# Altium PCB PokeyMain.PcbDoc (part 3 of 3)
Units mm, origin at the board's own origin, x right, y up, seen from the top; angles counter-clockwise.
Board outline 172.97 x 119.13 mm, 2 copper layers (Top Layer, Bottom Layer); 249 components, 225 nets, 876 pads, 516 vias.
Unrouted connection lines stored in the file: 64.
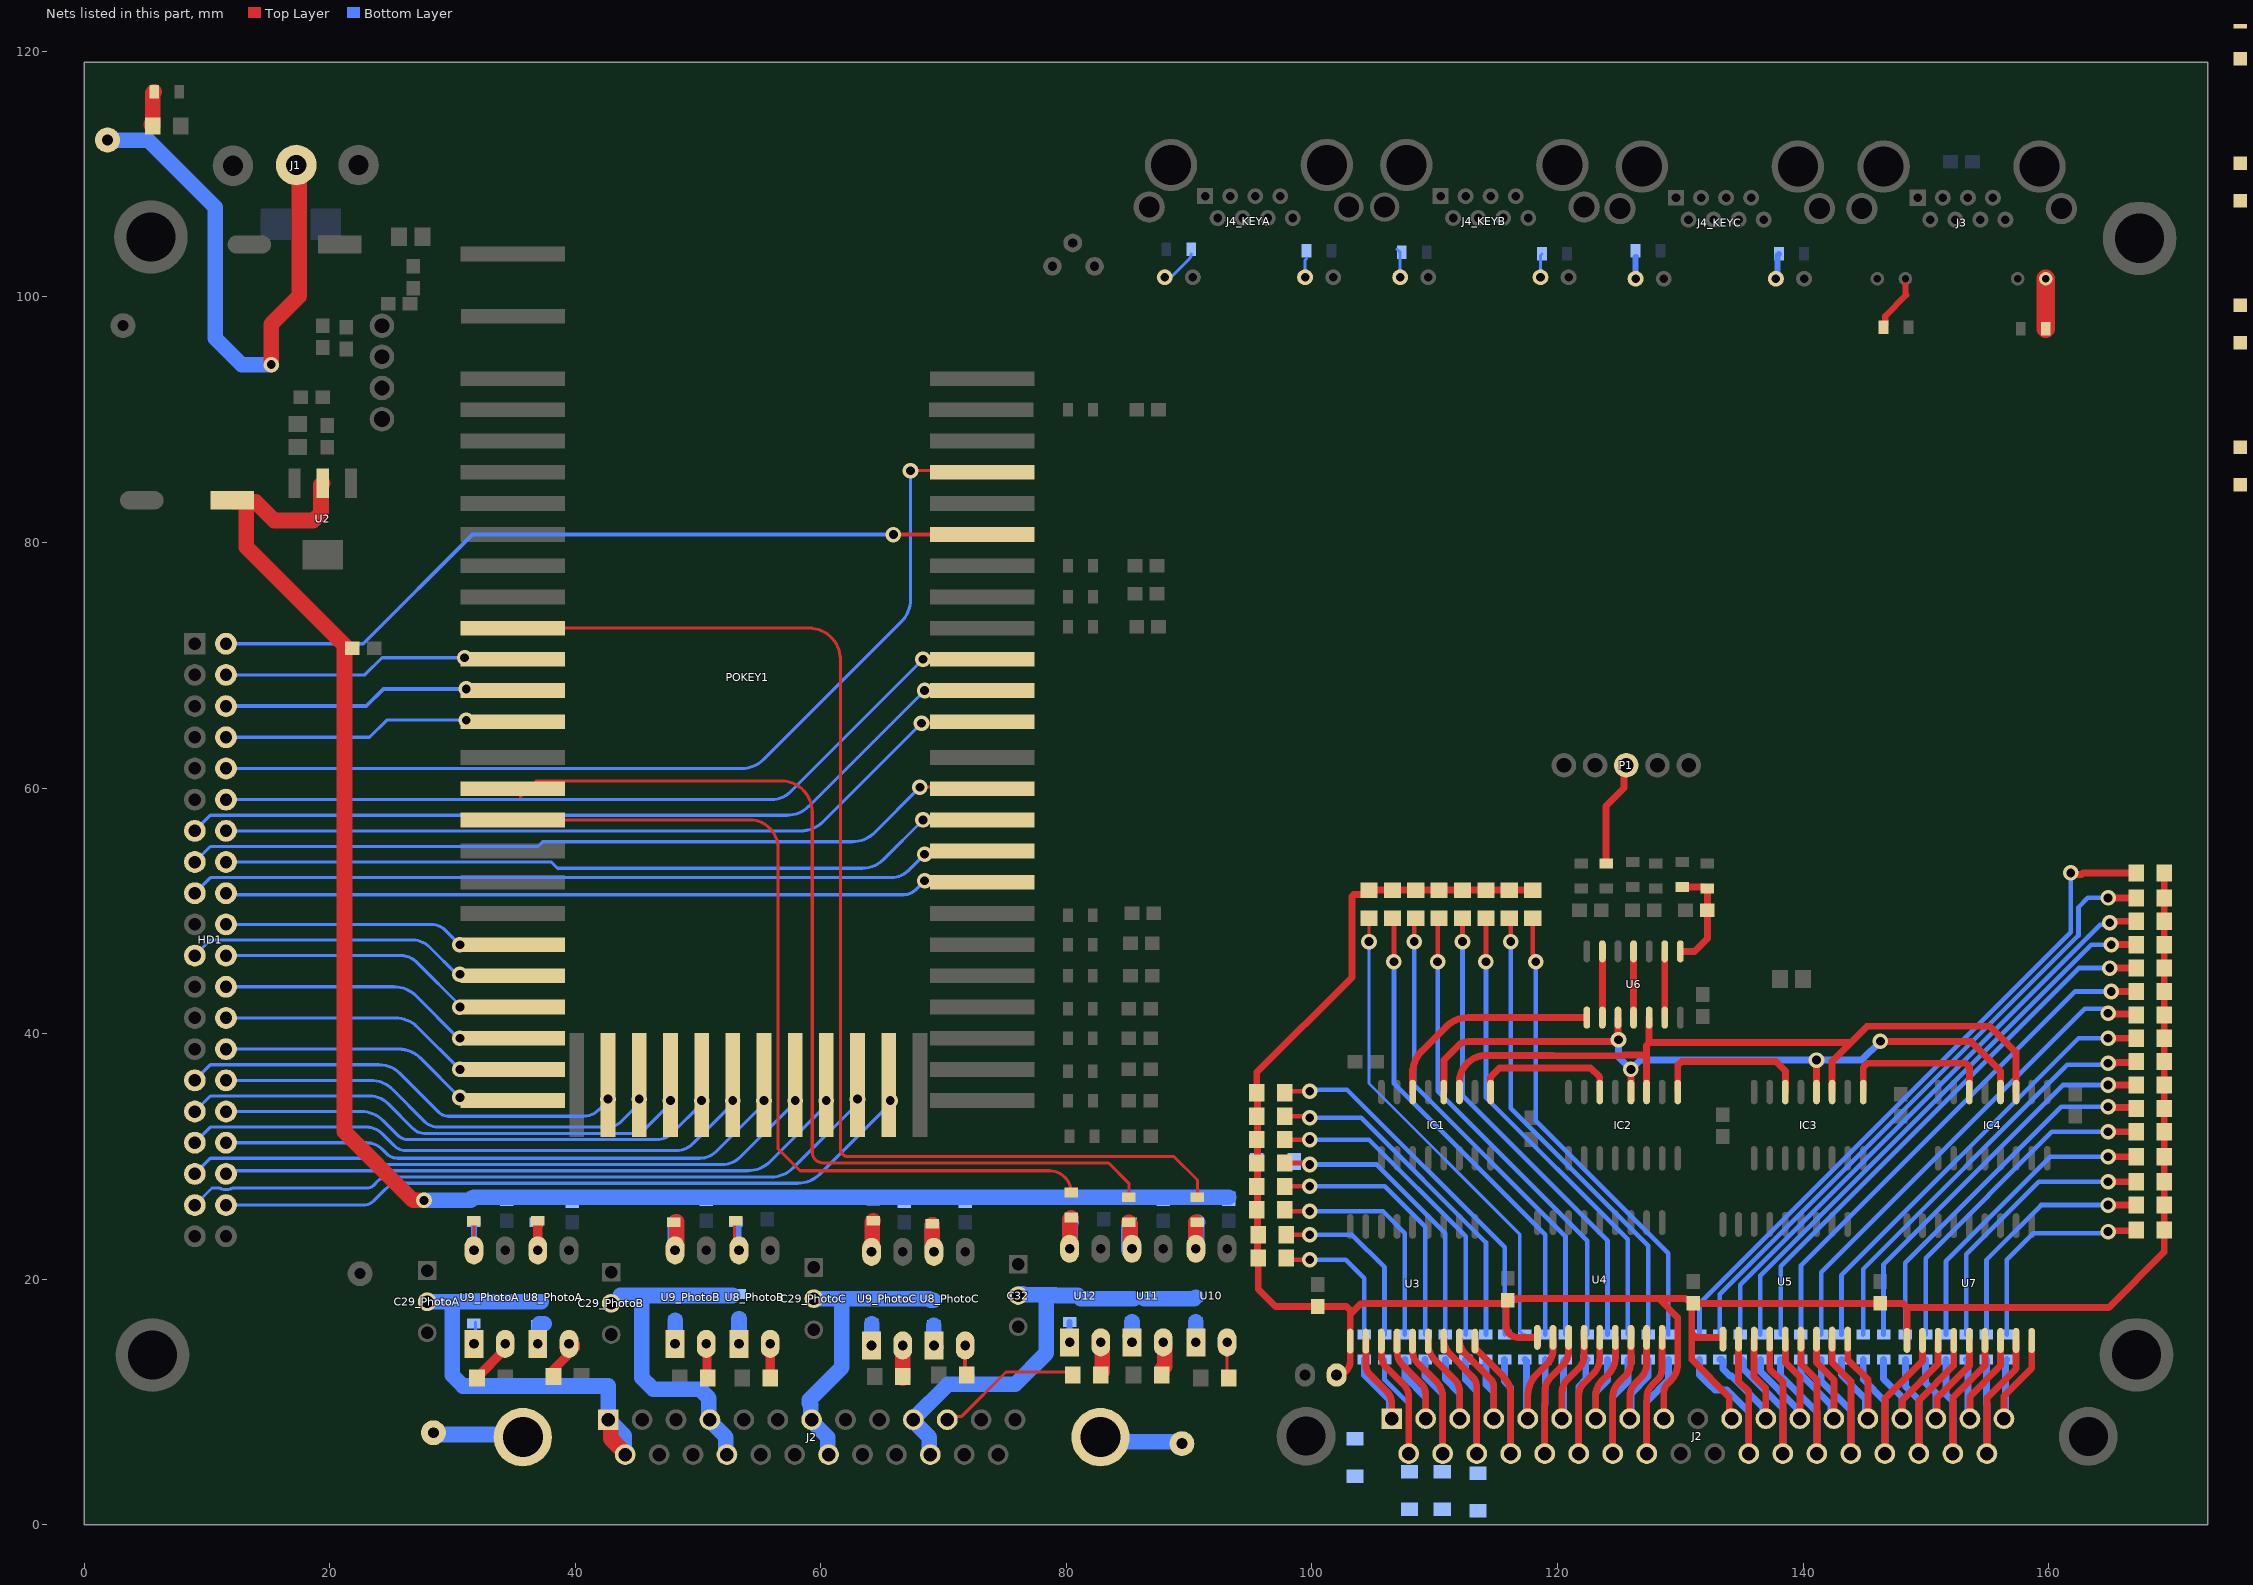
[diagram p3: the nets of this part, all layers, seen from the top]

## Via types
v1: diameter 1.27, hole 0.711, Top Layer to Bottom Layer, tented both sides, 483 vias
v2: diameter 1.27, hole 0.711, Top Layer to Bottom Layer, 33 vias

## Nets (pads, with @x,y where several pads share a name; then routed paths per layer and width w, separated by ;. In a path a pad name is that pad's centre, name@x,y a point inside that pad or via, vN(x,y) a via of type N, cw(c..) or ccw(c..) an arc to the next point about the centre after c; other vN are vias at no path point) (continued)
NetC16_2: C16.2 C19.1 C170.2 C180.1 D2_Led[.2 D2_Led\.2 D2_Led].2 D2_Led^.2 D2_Led_.2 D2_Led`.2 D2_LedA.2 D2_LedB.2 D2_LedC.2 D2_LedD.2 D2_LedE.2 D2_LedF.2 D2_LedG.2 D2_LedH.2 D2_LedI.2 D2_LedJ.2 D2_LedK.2 D2_LedL.2 D2_LedM.2 D2_LedN.2 D2_LedO.2 D2_LedP.2 D2_LedQ.2 D2_LedR.2 D2_LedS.2 D2_LedT.2 D2_LedU.2 D2_LedV.2 D2_LedW.2 D2_LedX.2 D2_LedY.2 D2_LedZ.2 J2.9@128.658,8.636 J2.11@134.196,8.636 J5.2 LED8_Led[.1 LED8_Led\.1 LED8_Led].1 LED8_Led^.1 LED8_Led_.1 LED8_Led`.1 LED8_LedA.1 LED8_LedB.1 LED8_LedC.1 LED8_LedD.1 LED8_LedE.1 LED8_LedF.1 LED8_LedG.1 LED8_LedH.1 LED8_LedI.1 LED8_LedJ.1 LED8_LedK.1 LED8_LedL.1 LED8_LedM.1 LED8_LedN.1 LED8_LedO.1 LED8_LedP.1 LED8_LedQ.1 LED8_LedR.1 LED8_LedS.1 LED8_LedT.1 LED8_LedU.1 LED8_LedV.1 LED8_LedW.1 LED8_LedX.1 LED8_LedY.1 LED8_LedZ.1 U3.10 U4.10 U5.10 U7.10 | length 196.5
  Top Layer w0.559: J5.2@102.006,12.192 ccw(c102.006,13.31) 103.124,13.31 103.124,14.952 103.124,17.145 ; LED8_LedP.1@117.983,51.689 LED8_LedO.1@116.078,51.689 LED8_LedN.1@114.173,51.689 LED8_LedM.1@112.268,51.689 LED8_LedL.1@110.363,51.689 LED8_LedK.1@108.458,51.689 LED8_LedJ.1@106.553,51.689 LED8_LedI.1@104.648,51.689 104.292,51.333 103.403,51.333 103.251,51.181 103.251,44.577 95.504,36.83 LED8_LedH.1@95.504,35.179 95.567,35.115 95.567,33.274 95.567,31.369 95.567,29.464 95.567,27.559 95.567,25.654 95.567,23.622 95.567,21.78 LED8_LedA.1@95.631,21.717 95.631,19.177 97.028,17.78 C180.1@100.457,17.78 102.797,17.78 103.124,17.453 103.124,17.145 ; U4.10@118.364,15.264 116.752,15.264 cw(c116.752,16.192) 115.824,16.192 115.824,17.78 C19.1@116.078,18.034 ; J2.9@128.658,8.636 128.658,10.775 cw(c129.628,10.775) 128.942,11.46 129.226,11.745 ccw(c127.855,13.116) 129.794,13.116 129.794,16.891 128.27,18.415 ; C170.2@131.064,18.034 C170.2@130.937,17.907 ; C170.2@131.335,18.034 C16.2@146.304,18.034 148.136,18.034 148.463,17.707 ; U5.10@133.477,15.113 133.477,15.236 133.473,15.24 131.264,15.24 130.937,15.567 ; U5.10@133.477,15.24 U5.10@133.477,15.711 ; J2.11@134.196,8.636 133.985,8.847 133.985,10.414 130.937,13.462 130.937,15.567 ; U7.10@148.463,15.01 148.463,17.707 ; LED8_LedQ.1@169.418,53.086 LED8_LedR.1@169.418,51.054 LED8_LedS.1@169.418,49.149 LED8_LedT.1@169.418,47.244 LED8_LedU.1@169.418,45.339 LED8_LedV.1@169.418,43.434 LED8_LedW.1@169.418,41.529 LED8_LedX.1@169.418,39.624 LED8_LedY.1@169.418,37.719 LED8_LedZ.1@169.418,35.814 LED8_Led[.1@169.418,33.909 LED8_Led\.1@169.418,32.004 LED8_Led].1@169.418,29.972 LED8_Led^.1@169.418,27.94 LED8_Led_.1@169.418,26.035 LED8_Led`.1@169.418,24.003 169.418,22.225 164.9,17.707 148.463,17.707 ; 103.124,17.145 103.278,17.299 103.953,17.974 cw(c104.394,16.383) 104.394,18.034 115.824,18.034 C19.1@116.078,18.034 ; C19.1@116.078,18.034 116.078,18.084 116.349,18.355 116.616,18.355 116.676,18.415 128.27,18.415 ; 128.27,18.415 130.429,18.415 130.489,18.355 130.793,18.355 130.937,18.211 C170.2@130.937,17.907 ; 130.937,15.567 C170.2@130.937,17.907
NetIC1_9: IC1.9 IC2.14 | length 12.6
  Top Layer w0.559: IC1.9@114.554,34.544 114.554,36.449 115.291,37.186 122.707,37.186 123.444,36.449 IC2.14@123.444,35.245
NetIC1_11: IC1.11 IC2.11 IC3.11 IC4.11 U6.12 | length 63.4
  Top Layer w0.559: IC1.11@112.014,34.544 112.014,36.059 cw(c114.182,36.059) 112.648,37.591 cw(c114.182,36.059) 112.649,37.592 cw(c114.182,36.059) 112.65,37.593 cw(c114.182,36.059) 114.182,38.227 119.633,38.227 119.658,38.202 125.322,38.202 125.373,38.252 127.254,38.252 ; IC2.11@127.254,35.245 127.254,38.252 ; U6.12@127.468,41.303 127.468,39.243 ; IC3.11@142.367,35.245 142.367,37.744 143.891,39.268 ; IC4.11@157.353,35.245 157.353,38.481 155.237,40.597 145.22,40.597 143.891,39.268 ; 127.254,38.252 127.254,39.029 127.468,39.243 ; 127.468,39.243 127.494,39.268 143.891,39.268
NetIC1_12: IC1.12 IC2.12 IC3.12 IC4.12 U6.10 | length 60.8
  Top Layer w0.559: IC1.12@110.744,35.245 110.744,37.868 112.046,39.17 cw(c113.002,36.985) 113.002,39.37 124.601,39.37 124.928,39.697 U6.10@124.928,41.303 ; IC2.12@125.984,34.577 v1(125.984,37.084) ; IC3.12@141.097,35.245 v1(141.097,37.846) ; v1(146.304,39.37) 153.67,39.37 156.079,36.961 156.079,35.249 IC4.12@156.083,35.245
  Bottom Layer w0.559: v1(124.968,39.497) 124.968,38.1 v1(125.984,37.084) 126.746,37.846 144.78,37.846 v1(146.304,39.37)
NetIC1_14: IC1.14 U6.8 | length 18
  Top Layer w0.559: IC1.14@108.204,35.245 108.204,37.054 108.219,37.069 cw(c110.744,36.794) 108.948,38.59 110.917,40.559 cw(c112.713,38.763) 112.713,41.303 U6.8@122.388,41.303
NetIC2_9: IC2.9 IC3.14 | length 13.1
  Top Layer w0.559: IC2.9@129.794,35.245 129.794,37.392 130.121,37.719 137.795,37.719 138.557,36.957 IC3.14@138.557,35.245
NetIC3_9: IC3.9 IC4.14 | length 12.9
  Top Layer w0.559: IC3.9@144.907,35.245 144.907,37.265 145.234,37.592 153.216,37.592 153.543,37.265 IC4.14@153.543,35.245
NetJ1_2: J1.2 TP1.1 | length 44.5
  Top Layer w1.27: v1(15.24,94.488) 15.24,97.79 17.526,100.076 17.526,110.49 J1.2@17.272,110.744
  Bottom Layer w1.27: TP1.1@1.905,112.776 5.207,112.776 10.668,107.315 10.668,96.647 12.827,94.488 v1(15.24,94.488)
NetJ2_26: J2.26@35.728,7.135 TP3.1 | length 7.4
  Bottom Layer w1.27: TP3.1@28.448,7.493 28.594,7.347 35.516,7.347 J2.26@35.728,7.135
NetJ2_27: J2.27@82.78,7.135 TP2.1 | length 6.8
  Bottom Layer w1.27: J2.27@82.78,7.135 83.166,6.75 89.262,6.75 TP2.1@89.408,6.604
NetJ3_L1+: R15.1 | length 4.8
  Top Layer w0.508: R15.1@146.558,97.536 146.704,97.682 146.704,98.444 148.423,100.163 cw(c148.423,100.245) 148.34,100.245 148.34,101.479
NetJ3_L2+: J3.L2+ R19.2 | length 4.1
  Top Layer w1.524: R19.2@159.766,97.409 159.766,101.475 J3.L2+@159.77,101.479
NetJ4_KEYA_L1-: J4_KEYA.L1- R23_KEYA.1 | length 3.3
  Bottom Layer w0.254: J4_KEYA.L1-@88.009,101.098 89.996,103.085 ccw(c89.576,103.505) R23_KEYA.1@90.17,103.505
NetJ4_KEYA_L2-: J4_KEYA.L2- R27_KEYA.2 | length 2.1
  Bottom Layer w0.254: J4_KEYA.L2-@99.439,101.098 99.439,102.995 99.568,103.124
NetJ4_KEYB_L1-: J4_KEYB.L1- R23_KEYB.1 | length 2.4
  Bottom Layer w0.254: R23_KEYB.1@106.934,103.886 107.186,103.634 J4_KEYB.L1-@107.186,101.604
NetJ4_KEYB_L2-: J4_KEYB.L2- R27_KEYB.2 | length 2
  Bottom Layer w0.254: J4_KEYB.L2-@118.616,101.604 118.616,103.376 R27_KEYB.2@118.745,103.505
NetJ4_KEYC_L1-: J4_KEYC.L1- R23_KEYC.1 | length 1.8
  Bottom Layer w0.508: J4_KEYC.L1-@126.363,101.479 126.365,101.481 126.365,103.251 R23_KEYC.1@126.367,103.253
NetJ4_KEYC_L2-: J4_KEYC.L2- R27_KEYC.2 | length 2.1
  Bottom Layer w0.508: J4_KEYC.L2-@137.791,101.477 137.92,101.606 137.92,103.376 R27_KEYC.2@138.049,103.505
NetLED1_1: LED1.1 R1.2 | length 2.9
  Top Layer w1.27: LED1.1@5.457,114.042 LED1.1@5.461,114.046 ; LED1.1@5.588,113.919 5.588,116.586 R1.2@5.715,116.713
NetLED2_PhotoA_1: LED2_PhotoA.1 U8_PhotoA.2 | length 3.2
  Top Layer w0.762: LED2_PhotoA.1@37.973,12.383 40.005,14.414 U8_PhotoA.2@40.005,14.732
NetLED2_PhotoB_1: LED2_PhotoB.1 U8_PhotoB.2 | length 3.4
  Top Layer w0.762: U8_PhotoB.2@55.499,14.16 U8_PhotoB.2@55.499,14.732 ; LED2_PhotoB.1@55.88,11.938 U8_PhotoB.2@55.88,14.732
NetLED2_PhotoC_1: LED2_PhotoC.1 U8_PhotoC.2 | length 2.8
  Top Layer w0.305: U8_PhotoC.2@71.755,14.605 71.755,12.827 ccw(c72.39,12.827) LED2_PhotoC.1@72.39,12.192
NetLED3_PhotoA_1: LED3_PhotoA.1 U9_PhotoA.2 | length 3.7
  Top Layer w0.762: LED3_PhotoA.1@32.004,11.938 32.004,12.002 34.29,14.287 U9_PhotoA.2@34.29,14.732
NetLED3_PhotoB_1: LED3_PhotoB.1 U9_PhotoB.2 | length 2.8
  Top Layer w0.762: U9_PhotoB.2@50.673,14.732 50.736,14.668 50.736,12.002 LED3_PhotoB.1@50.8,11.938
NetLED3_PhotoC_1: LED3_PhotoC.1 U9_PhotoC.2 | length 2.7
  Top Layer w1.27: LED3_PhotoC.1@66.675,11.938 U9_PhotoC.2@66.675,14.605
NetLED4_1: LED4.1 U10.2 | length 3
  Top Layer w0.254: U10.2@93.091,14.859 93.091,12.065 LED4.1@93.218,11.938
NetLED5_1: LED5.1 U11.2 | length 2.8
  Top Layer w1.27: LED5.1@87.757,12.201 87.757,12.627 88.011,12.881 88.011,14.282 87.933,14.361 87.933,14.8 U11.2@88.001,14.868
NetLED6_1: LED6.1 U12.2 | length 2.5
  Top Layer w1.27: U12.2@82.804,14.859 82.804,14.409 82.931,14.282 LED6.1@82.931,12.446
NetLED8_Led[_2: LED8_Led[.2 R31_Led[.2 | length 29.7
  Top Layer w0.559: v2@165.1,34.036 165.163,33.972 167.069,33.972 LED8_Led[.2@167.132,33.909
  Bottom Layer w0.381: R31_Led[.2@148.336,15.494 148.336,21.336 161.036,34.036 v2@164.828,34.036
  other v2: 164.846,34.036
NetLED8_Led\_2: LED8_Led\.2 R31_Led\.2 | length 27.6
  Top Layer w0.559: v2@164.973,32.004 LED8_Led\.2@167.132,32.004
  Bottom Layer w0.381: R31_Led\.2@149.987,15.494 149.987,21.717 160.274,32.004 v2@164.973,32.004
  other v2: 164.846,32.004
NetLED8_Led]_2: LED8_Led].2 R31_Led].2 | length 25
  Top Layer w0.559: v2@164.973,29.972 LED8_Led].2@167.132,29.972
  Bottom Layer w0.381: R31_Led].2@151.638,15.494 151.638,21.463 160.147,29.972 v2@164.973,29.972
  other v2: 164.846,29.972
NetLED8_Led^_2: LED8_Led^.2 R31_Led^.2 | length 22.8
  Top Layer w0.559: v2@164.973,27.94 LED8_Led^.2@167.132,27.94
  Bottom Layer w0.381: R31_Led^.2@153.289,15.494 153.289,22.02 159.209,27.94 v2@164.973,27.94
  other v2: 164.846,27.94
NetLED8_Led__2: LED8_Led_.2 R31_Led_.2 | length 20.1
  Top Layer w0.559: v2@164.973,26.035 LED8_Led_.2@167.132,26.035
  Bottom Layer w0.381: R31_Led_.2@154.94,15.494 154.94,21.59 159.385,26.035 v2@164.973,26.035
  other v2: 164.846,26.035
NetLED8_Led`_2: LED8_Led`.2 R31_Led`.2 | length 17.6
  Top Layer w0.559: v2(164.846,23.876) 164.909,23.939 167.069,23.939 LED8_Led`.2@167.132,24.003
  Bottom Layer w0.381: R31_Led`.2@156.591,15.494 156.591,21.59 158.75,23.749 164.719,23.749 v2(164.846,23.876)
NetLED8_LedA_2: LED8_LedA.2 R31_LedA.2 | length 11.6
  Top Layer w0.381: LED8_LedA.2@97.917,21.717 98.044,21.59 v2@99.949,21.59
  Bottom Layer w0.381: v2@99.949,21.59 102.743,21.59 104.267,20.066 R31_LedA.2@104.267,15.494
  other v2: 99.822,21.59
NetLED8_LedB_2: LED8_LedB.2 R31_LedB.2 | length 14.6
  Top Layer w0.381: LED8_LedB.2@97.917,23.622 v2@100.203,23.622
  Bottom Layer w0.381: v2@100.203,23.622 103.251,23.622 105.918,20.955 R31_LedB.2@105.918,15.494
  other v2: 99.822,23.622
NetLED8_LedC_2: LED8_LedC.2 R31_LedC.2 | length 18.8
  Top Layer w0.381: LED8_LedC.2@97.79,25.654 97.917,25.527 v2@100.076,25.527
  Bottom Layer w0.381: v2@100.076,25.527 105.791,25.527 107.569,23.749 R31_LedC.2@107.569,15.494
  other v2: 99.822,25.527
NetLED8_LedD_2: LED8_LedD.2 R31_LedD.2 | length 21.6
  Top Layer w0.381: LED8_LedD.2@97.79,27.559 v2@99.949,27.559
  Bottom Layer w0.381: v2@99.949,27.559 105.918,27.559 109.22,24.257 R31_LedD.2@109.22,15.494
  other v2: 99.822,27.559
NetLED8_LedE_2: LED8_LedE.2 R31_LedE.2 | length 23.7
  Top Layer w0.381: LED8_LedE.2@97.79,29.464 99.822,29.464 v2@99.949,29.337
  Bottom Layer w0.381: v2@99.949,29.337 105.283,29.337 110.871,23.749 R31_LedE.2@110.871,15.494
  other v2: 99.822,29.337
NetLED8_LedF_2: LED8_LedF.2 R31_LedF.2 | length 26
  Top Layer w0.381: LED8_LedF.2@97.79,31.369 v2(99.822,31.369)
  Bottom Layer w0.381: v2(99.822,31.369) 104.648,31.369 112.522,23.495 R31_LedF.2@112.522,15.494
NetLED8_LedG_2: LED8_LedG.2 R31_LedG.2 | length 28.1
  Top Layer w0.381: LED8_LedG.2@97.79,33.274 99.695,33.274 v2(99.822,33.147)
  Bottom Layer w0.381: v2(99.822,33.147) 104.013,33.147 114.173,22.987 R31_LedG.2@114.173,15.494
NetLED8_LedH_2: LED8_LedH.2 R31_LedH.2 | length 30.4
  Top Layer w0.381: LED8_LedH.2@97.79,35.179 97.917,35.306 v2@99.949,35.306
  Bottom Layer w0.381: v2@99.949,35.306 100.076,35.433 102.859,35.433 115.697,22.595 R31_LedH.2@115.697,15.494
  other v2: 99.822,35.306
NetLED8_LedI_2: LED8_LedI.2 R31_LedI.2 | length 39.3
  Top Layer w0.254: v2@104.648,47.117 LED8_LedI.2@104.648,49.403
  Bottom Layer w0.254: v2@104.648,47.117 104.648,35.941 116.925,23.664 116.925,15.767 117.198,15.494 R31_LedI.2@117.348,15.494
  other v2: 104.648,47.498
NetLED8_LedJ_2: LED8_LedJ.2 R31_LedJ.2 | length 39.1
  Top Layer w0.381: LED8_LedJ.2@106.553,49.403 106.68,49.276 v2@106.68,46.101
  Bottom Layer w0.381: v2@106.68,46.101 106.68,35.941 118.999,23.622 R31_LedJ.2@118.999,15.494
  other v2: 106.68,45.847
NetLED8_LedK_2: LED8_LedK.2 R31_LedK.2 | length 39.1
  Top Layer w0.381: v2@108.331,47.371 108.331,49.276 LED8_LedK.2@108.458,49.403
  Bottom Layer w0.381: v2@108.331,47.371 108.331,35.814 120.65,23.495 R31_LedK.2@120.65,15.494
  other v2: 108.331,47.498
NetLED8_LedL_2: LED8_LedL.2 R31_LedL.2 | length 39
  Top Layer w0.381: v2@110.236,46.101 110.236,49.276 LED8_LedL.2@110.363,49.403
  Bottom Layer w0.381: v2@110.236,46.101 110.236,35.306 122.428,23.114 R31_LedL.2@122.428,15.494
  other v2: 110.236,45.847
NetLED8_LedM_2: LED8_LedM.2 R31_LedM.2 | length 38.8
  Top Layer w0.381: v2(112.268,47.498) LED8_LedM.2@112.268,49.403
  Bottom Layer w0.381: v2(112.268,47.498) 112.268,34.925 124.079,23.114 R31_LedM.2@124.079,15.494
NetLED8_LedN_2: LED8_LedN.2 R31_LedN.2 | length 38.7
  Top Layer w0.381: v2(114.173,45.847) LED8_LedN.2@114.173,49.403
  Bottom Layer w0.381: v2(114.173,45.847) 114.173,34.798 125.73,23.241 R31_LedN.2@125.73,15.494
NetLED8_LedO_2: LED8_LedO.2 R31_LedO.2 | length 38.6
  Top Layer w0.381: LED8_LedO.2@116.078,49.403 116.205,49.276 v2(116.205,47.498)
  Bottom Layer w0.381: v2(116.205,47.498) 116.205,33.909 127.381,22.733 R31_LedO.2@127.381,15.494
NetLED8_LedP_2: LED8_LedP.2 R31_LedP.2 | length 38.4
  Top Layer w0.381: LED8_LedP.2@117.983,49.403 117.983,46.469 118.237,46.215 v2@118.237,45.974
  Bottom Layer w0.381: v2@118.173,45.91 v2@118.237,45.974 ; v2(118.237,45.847) 118.237,32.893 129.032,22.098 R31_LedP.2@129.032,15.494
NetLED8_LedQ_2: LED8_LedQ.2 R31_LedQ.2 | length 55.6
  Top Layer w0.559: v2(161.798,53.086) 161.925,52.959 162.687,52.959 162.814,53.086 LED8_LedQ.2@167.132,53.086
  Bottom Layer w0.381: R31_LedQ.2@131.572,15.494 131.572,18.034 161.798,48.26 v2(161.798,53.086)
NetLED8_LedR_2: LED8_LedR.2 R31_LedR.2 | length 51.9
  Top Layer w0.559: v2(164.846,51.054) LED8_LedR.2@167.132,51.054
  Bottom Layer w0.381: R31_LedR.2@133.223,15.494 133.223,18.787 162.433,47.997 162.433,50.292 163.195,51.054 v2(164.846,51.054)
NetLED8_LedS_2: LED8_LedS.2 R31_LedS.2 | length 48.6
  Top Layer w0.559: v2(164.973,49.022) 165.1,49.149 LED8_LedS.2@167.132,49.149
  Bottom Layer w0.381: R31_LedS.2@134.874,15.494 134.874,19.54 153.447,38.113 164.192,48.858 164.809,48.858 v2(164.973,49.022)
NetLED8_LedT_2: LED8_LedT.2 R31_LedT.2 | length 46.6
  Top Layer w0.559: v2(165.1,47.244) LED8_LedT.2@167.132,47.244
  Bottom Layer w0.381: R31_LedT.2@136.525,15.494 136.525,20.293 153.71,37.478 163.476,47.244 v2(165.1,47.244)
NetLED8_LedU_2: LED8_LedU.2 R31_LedU.2 | length 44.6
  Top Layer w0.559: v2(164.973,45.339) LED8_LedU.2@167.132,45.339
  Bottom Layer w0.381: R31_LedU.2@138.176,15.494 138.176,21.046 147.755,30.625 162.469,45.339 v2(164.973,45.339)
NetLED8_LedV_2: LED8_LedV.2 R31_LedV.2 | length 42.2
  Top Layer w0.559: v2(165.1,43.434) LED8_LedV.2@167.132,43.434
  Bottom Layer w0.381: R31_LedV.2@139.827,15.494 139.827,21.107 148.532,29.812 162.154,43.434 v2(165.1,43.434)
NetLED8_LedW_2: LED8_LedW.2 R31_LedW.2 | length 39.8
  Top Layer w0.559: v2(164.846,41.656) 164.909,41.593 167.069,41.593 LED8_LedW.2@167.132,41.529
  Bottom Layer w0.381: R31_LedW.2@141.478,15.494 141.478,20.574 148.084,27.18 162.941,42.037 164.465,42.037 v2(164.846,41.656)
NetLED8_LedX_2: LED8_LedX.2 R31_LedX.2 | length 36.7
  Top Layer w0.559: v2@164.973,39.624 LED8_LedX.2@167.132,39.624
  Bottom Layer w0.381: R31_LedX.2@143.129,15.494 143.129,20.32 162.433,39.624 v2(164.846,39.624)
NetLED8_LedY_2: LED8_LedY.2 R31_LedY.2 | length 34.4
  Top Layer w0.559: 165.481,37.592 165.544,37.655 167.069,37.655 LED8_LedY.2@167.132,37.719
  Bottom Layer w0.381: R31_LedY.2@144.907,15.494 144.907,20.828 161.535,37.456 164.71,37.456 v2(164.846,37.592) ; v2@165.1,37.338 165.354,37.592 165.481,37.592
NetLED8_LedZ_2: LED8_LedZ.2 R31_LedZ.2 | length 32
  Top Layer w0.559: v2@165.228,35.814 LED8_LedZ.2@167.132,35.814
  Bottom Layer w0.381: R31_LedZ.2@146.558,15.494 146.558,21.209 161.162,35.813 v2(164.846,35.813)
NetP1_3: P1.3 R4.2 | length 8.9
  Top Layer w0.559: R4.2@123.952,53.848 123.952,58.547 125.416,60.011 125.416,61.662 P1.3@125.603,61.849 ; P1.3@126.111,61.849 P1.3@126.111,62.103
NetR12_PhotoA_2: R12_PhotoA.2 R13_PhotoA.2 U8_PhotoA.4 | length 5.7
  Top Layer w0.254: U8_PhotoA.4@36.957,22.352 37.084,22.479 37.084,22.733 37.416,22.401 U8_PhotoA.4@37.465,22.449
  Top Layer w0.762: U8_PhotoA.4@36.957,22.352 R13_PhotoA.2@36.957,24.765
  Bottom Layer w0.508: R12_PhotoA.2@36.83,24.638 36.893,24.575 36.893,22.415 U8_PhotoA.4@36.957,22.352
NetR12_PhotoB_2: R12_PhotoB.2 R13_PhotoB.2 U8_PhotoB.4 | length 4.9
  Top Layer w0.254: U8_PhotoB.4@52.959,22.352 52.959,24.638 R13_PhotoB.2@53.086,24.765
  Bottom Layer w0.635: R12_PhotoB.2@53.086,24.638 53.13,24.638 53.213,24.555 53.213,22.479 U8_PhotoB.4@53.34,22.352
NetR12_PhotoC_2: R12_PhotoC.2 R13_PhotoC.2 U8_PhotoC.4 | length 4.6
  Top Layer w1.27: U8_PhotoC.4@69.088,22.161 R13_PhotoC.2@69.088,24.446
  Bottom Layer w1.27: U8_PhotoC.4@69.088,22.155 R12_PhotoC.2@69.088,24.428
NetR14_PhotoA_2: R14_PhotoA.2 U8_PhotoA.1 | length 2.1
  Bottom Layer w1.27: U8_PhotoA.1@36.957,14.732 37.084,14.859 37.084,16.383 R14_PhotoA.2@37.465,16.383
NetR14_PhotoB_2: R14_PhotoB.2 U8_PhotoB.1 | length 2
  Bottom Layer w1.27: U8_PhotoB.1@53.34,14.732 R14_PhotoB.2@53.34,16.764
NetR14_PhotoC_2: R14_PhotoC.2 U8_PhotoC.1 | length 1.8
  Bottom Layer w1.27: R14_PhotoC.2@69.215,16.256 U8_PhotoC.1@69.215,14.605 U8_PhotoC.1@69.342,14.478
NetR16_PhotoA_2: R16_PhotoA.2 R17_PhotoA.2 U9_PhotoA.4 | length 4.7
  Top Layer w0.254: U9_PhotoA.4@31.75,22.352 R17_PhotoA.2@31.75,24.765
  Bottom Layer w0.508: U9_PhotoA.4@31.75,22.352 R16_PhotoA.2@31.75,24.638
NetR16_PhotoB_2: R16_PhotoB.2 R17_PhotoB.2 U9_PhotoB.4 | length 4.4